# KiCad board Z3660_v022.kicad_pcb (continued)
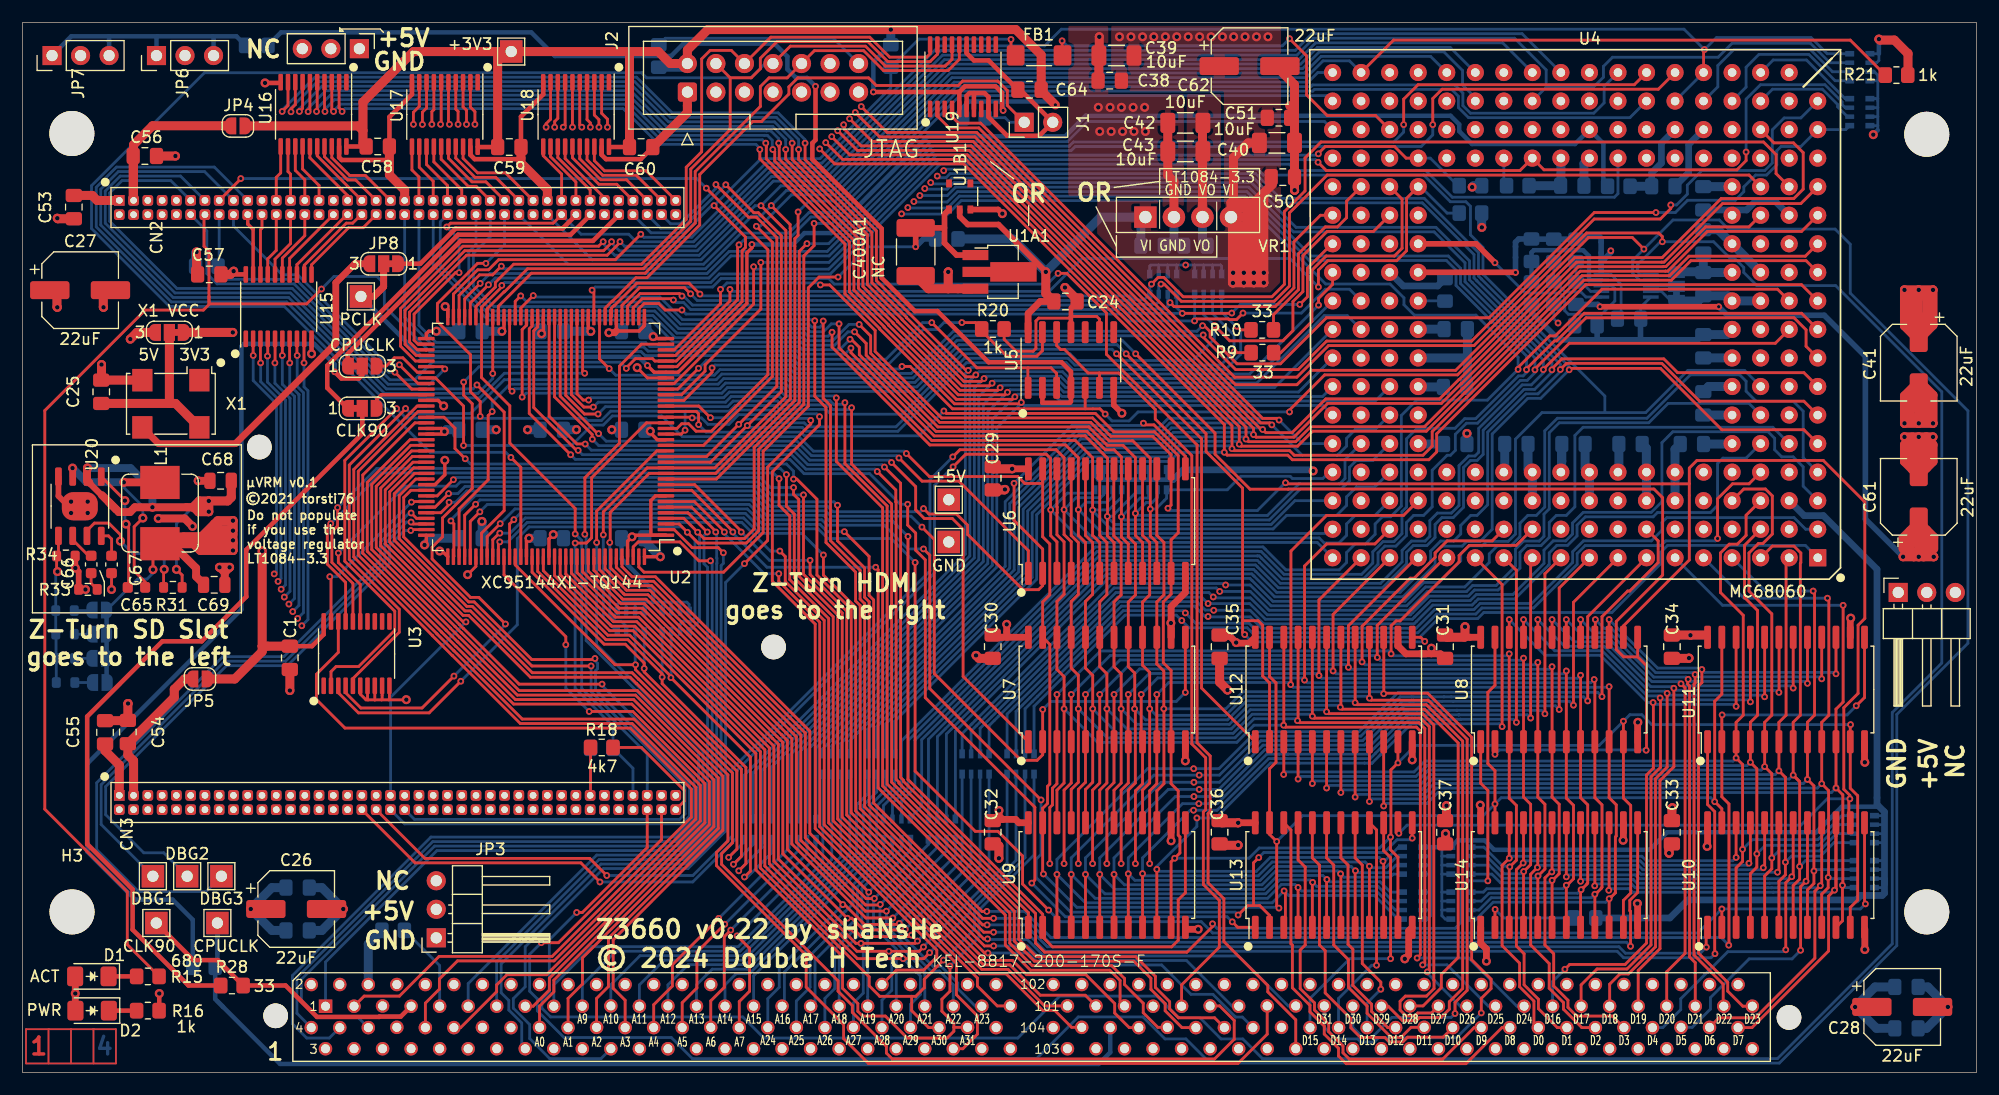
[diagram p0: board, top side]
## Routing (per net, layer and track width the routed paths; a pad name or vN(x,y) marks a point on that pad's centre or on a via; arc(x,y) is an arc through that point) (continued)
TM1: length 69.9
  Top w0.25: U2.39 54.36,68.06 55.15,68.85 57.82,68.85 v2(57.94,68.74) ; v2(103.24,67.55) 107.61,67.55 v2(107.64,67.58) ; U4.108 116.56,73.74 114.37,71.56 114.37,69.03 v2(113.69,68.35)
  Bottom w0.25: v2(107.64,67.58) 108.4,68.35 v2(113.69,68.35) ; RN19.5 102.74,68.05 v2(103.24,67.55) 98.3,67.55 97.96,67.89 59.47,67.89 58.84,68.52 58.16,68.52 v2(57.94,68.74)
TM2: length 69.9
  Top w0.25: v2(108.64,67.58) 108.06,67 107.4,67 107.35,67.06 104.5,67.06 v2(104.32,66.88) ; v2(58.7,67.85) 57.2,67.85 56.63,68.42 55.33,68.42 54.86,67.96 U2.38
  Bottom w0.25: v2(58.7,67.85) 59.06,67.49 97.8,67.49 98.41,66.88 v2(104.32,66.88) 104.34,66.89 RN20.8 ; U4.95 118.11,69.7 115.96,69.7 113.84,67.58 v2(108.64,67.58)
TMS: length 60.3
  Top w0.25: 62.99,88.51 64.87,88.51 65.68,89.32 65.68,90.25 67.16,91.73 75.25,91.73 77.02,89.96 80.79,89.96 81.44,90.61 U19.19 ; 62.99,88.51 62.99,83.9 59.48,80.39 59.48,75.75 55.26,71.53 44.96,71.53 42.9,69.47 42.86,69.47 41.36,67.96 U2.65 ; 62.99,88.51 J2.4
TT0: length 114.7
  Top w0.25: U2.41 53.36,68.27 54.93,69.84 58.92,69.84 v2(59.47,69.29) ; v2(101.34,70.15) 101.62,70.15 103.15,68.63 111.41,68.63 112.77,69.99 112.77,76.49 116.14,79.86 153.67,79.86 U4.117
  Bottom w0.25: v2(101.34,70.15) 101.14,69.95 RN19.7 101.14,68.61 100.89,68.36 98.72,68.36 98.39,68.69 60.06,68.69 v2(59.47,69.29)
TT1: length 123
  Top w0.25: U4.116 156.08,79.99 156.08,81.68 154.96,82.8 115.58,82.8 114.16,81.38 114.16,78.45 112.32,76.61 112.32,70.14 111.21,69.03 103.31,69.03 101.59,70.75 101.09,70.75 v2(100.49,70.15) ; U2.43 52.43,67.3 52.43,68.03 52.64,68.24 52.68,68.24 54.68,70.24 59.33,70.24 v2(60.3,69.27)
  Bottom w0.25: v2(60.3,69.27) 60.46,69.11 98.54,69.11 98.89,68.75 99.84,68.75 RN19.8 100.34,70 v2(100.49,70.15)
V_DETECTOR: length 60.5
  Top w0.25: U2.143 54.86,44.98 55.32,44.52 62.41,44.52 65.93,48.04 65.93,55.28 69.94,59.3 69.94,69.82 70.91,70.78 v2(72.59,70.78)
  Top w0.5: 84.52,72.74 83.14,72.74 82.07,73.81 82.07,76.39 U1B1.1 ; v2(79.5,73.48) C400A1.1 82.04,75.16 82.07,75.19
  Bottom w0.25: v2(79.5,73.48) 75.29,73.48 v2(72.59,70.78)
  Bottom w0.5: R2.1 80.2,74.17 v2(79.5,73.48)
Net-(C66-Pad1): length 1.7
  Top w0.25: 6.11,44.45 6.11,43.54 R33.1
Net-(CN2-Pin_22): length 5.4
  Top w0.25: 21.32,76.33 21.32,75.14 21.18,75 21.18,71.02 U15.18
Net-(CN2-Pin_23): length 5
  Top w0.25: U16.11 22.98,80.05 22.59,79.66 22.59,77.6
Net-(CN2-Pin_24): length 5.6
  Top w0.25: 22.59,76.33 22.59,73.16 21.83,72.4 U15.17
Net-(CN2-Pin_25): length 4.9
  Top w0.25: 23.86,77.6 23.86,79.95 23.63,80.17 U16.12
Net-(CN2-Pin_26): length 5.9
  Top w0.25: U15.16 22.48,72.39 23.86,73.77 23.86,76.33
Net-(CN2-Pin_27): length 5.2
  Top w0.25: 25.13,77.6 25.13,79.44 24.28,80.28 U16.13
Net-(CN2-Pin_28): length 6.1
  Top w0.25: U15.15 23.13,72.47 25.13,74.47 25.13,76.33
Net-(CN2-Pin_29): length 5.4
  Top w0.25: U16.14 24.93,80.4 26.4,78.93 26.4,77.6
Net-(CN2-Pin_32): length 6.9
  Top w0.25: 27.67,76.33 23.78,72.44 U15.14
Net-(CN2-Pin_33): length 6.2
  Top w0.25: 28.94,77.6 28.94,78.04 25.58,81.4 U16.15
Net-(CN2-Pin_34): length 7.2
  Top w0.25: 28.94,76.33 28.87,76.33 24.43,71.89 U15.13
Net-(CN2-Pin_35): length 6.4
  Top w0.25: 30.21,77.6 26.23,81.57 U16.16
Net-(CN2-Pin_36): length 7.8
  Top w0.25: U15.12 25.08,71.84 28.82,75.58 29.39,75.58 30.14,76.33 30.21,76.33
Net-(CN2-Pin_37): length 7.1
  Top w0.25: 26.88,82.4 26.88,81.49 28.95,79.42 29.65,79.42 31.48,77.6
Net-(CN2-Pin_38): length 8.5
  Top w0.25: U15.11 25.73,71.88 29.03,75.18 30.33,75.18 31.48,76.33
Net-(CN2-Pin_39): length 7.8
  Top w0.25: U16.18 27.53,81.41 29.12,79.82 30.52,79.82 32.75,77.6
Net-(CN2-Pin_43): length 5
  Top w0.25: U17.11 34.67,80.31 35.29,79.69 35.29,77.6
Net-(CN2-Pin_45): length 5.3
  Top w0.25: 36.56,77.6 36.56,79.31 35.32,80.55 U17.12
Net-(CN2-Pin_47): length 5.6
  Top w0.25: U17.13 35.97,80.79 37.83,78.93 37.83,77.6
Net-(CN2-Pin_49): length 5.8
  Top w0.25: 39.1,77.6 39.1,78.55 36.62,81.03 U17.14
Net-(CN2-Pin_53): length 7
  Top w0.25: 41.64,77.6 40.38,78.86 39.68,78.86 37.27,81.27 37.27,82.38
Net-(CN2-Pin_55): length 7.6
  Top w0.25: U17.16 37.92,81.35 40.01,79.26 41.25,79.26 42.91,77.6
Net-(CN2-Pin_57): length 8.2
  Top w0.25: 44.18,77.6 42.12,79.66 40.28,79.66 38.57,81.37 38.57,82.38
Net-(CN2-Pin_59): length 8.8
  Top w0.25: U17.18 39.22,81.35 40.51,80.06 42.99,80.06 45.45,77.6
Net-(CN2-Pin_63): length 5.5
  Top w0.25: U18.11 46.35,81.58 47.99,79.95 47.99,77.6
Net-(CN2-Pin_65): length 5.7
  Top w0.25: 49.26,77.6 49.26,79.24 47,81.5 U18.12
Net-(CN2-Pin_67): length 6
  Top w0.25: 50.53,77.6 50.53,78.54 47.65,81.41 47.65,82.38
Net-(CN2-Pin_69): length 6.2
  Top w0.25: 51.8,77.6 51.8,77.83 48.3,81.33 U18.14
Net-(CN2-Pin_73): length 7.9
  Top w0.25: U18.15 48.95,81.4 51.31,79.04 52.9,79.04 54.34,77.6
Net-(CN2-Pin_75): length 8.6
  Top w0.25: 49.6,82.38 49.6,81.31 51.47,79.44 53.77,79.44 55.61,77.6
Net-(CN2-Pin_77): length 9.3
  Top w0.25: U18.17 50.25,81.23 51.64,79.84 54.64,79.84 56.88,77.6
Net-(CN2-Pin_79): length 10
  Top w0.25: U18.18 50.9,81.14 51.8,80.24 55.51,80.24 58.15,77.6
Net-(D1-K): length 2.5
  Top w0.4: R15.2 D1.1
Net-(D2-K): length 2.5
  Top w0.4: R16.2 D2.1
Net-(J1-A): length 56
  Top w0.25: J1.1 87.66,86.06 87.66,87.38 86.81,88.23 83.69,88.23 83.29,87.83 75.99,87.83 75.32,88.5 69.01,88.5 68.22,87.71 68.22,87.07 65.78,84.63 65,84.63 60.28,79.91 60.28,75.42 55.59,70.73 54.6,70.73 52.51,68.64 52.47,68.64 51.86,68.02 U2.44
  Bottom w0.25: R3.1 85.7,84.96 87.46,84.96 87.87,84.56 J1.1
Net-(J2-Pin_14): length 19
  Bottom w0.25: J2.14 72.18,92.03 57.21,92.03 R4.2
Net-(JP9-C): length 70.2
  Top w0.4: JP9.2 30.25,56.85 19.92,46.52 19.92,42.34 15.95,38.37 12.45,38.37 5.76,31.68 5.76,20.33 9.8,16.29 9.8,12.71 14.78,7.74 R28.1
Net-(JP10-C): length 80.2
  Top w0.4: v2(27.79,62.35) 28.38,61.76 29.94,61.76 30.25,62.07 JP10.2
  Bottom w0.4: v2(27.79,62.35) 27.79,63.01 25.96,64.84 19.71,64.84 19.49,64.62 19.49,41.2 5.79,27.51 5.79,19.63 10.03,15.39 13.36,15.39 15.15,13.59 R29.1
Net-(JP11-C): length 15.9
  Top w0.8: X1.4 13.62,59.54 13.08,59.54 ; 13.08,59.54 C25.1 ; 13.08,59.54 13.08,65.86 JP11.2
Net-(JP12-C): length 2.3
  Bottom w0.25: JP12.2 147.16,70.01 U1.8
Net-(JP13-B): length 1.6
  Bottom w0.25: JP13.2 6.14,41.11 R32.2
Net-(JP14-B): length 1.6
  Bottom w0.25: R35.2 JP14.2
Net-(JP15-B): length 1.5
  Bottom w0.25: R36.2 JP15.2
Net-(JP16-B): length 1.6
  Bottom w0.25: R37.2 JP16.2
Net-(R19-Pad1): length 99.4
  Top w0.4: U5.2 90.78,59.59 93.21,59.59 93.32,59.7 U5.4 93.32,62.37 92.49,63.21 85.99,63.21 81.44,67.75 79.43,67.75 76.48,70.71 76.48,75.09 70.31,81.26 70.31,82.71 70.59,82.98 v2(70.59,87.75)
  Bottom w0.4: R19.1 23.01,92.56 45.29,92.56 47.39,90.46 57.74,90.46 58.84,91.56 66.94,91.56 68.09,90.41 68.09,89.27 68.85,88.5 69.84,88.5 v2(70.59,87.75)
Net-(RN1-R3.2): length 16.8
  Bottom w0.25: 149.63,86.44 150.9,87.71 150.9,89.6 152.32,91.02 159.14,91.02 161.1,89.06 RN1.6
Net-(RN1-R4.2): length 14.2
  Bottom w0.25: U4.148 153.42,87.69 153.42,89.45 154.56,90.6 159,90.6 161.34,88.25 RN1.5
Net-(RN2-R1.2): length 9.8
  Bottom w0.25: U4.164 155.82,90.1 158.79,90.1 162.24,86.66 RN2.8
Net-(RN2-R3.2): length 9.5
  Bottom w0.25: U4.147 155.77,87.5 160.2,87.5 161.56,86.14 161.56,85.93 162.44,85.06 RN2.6
Net-(U1-V1): length 6.6
  Bottom w0.25: R23.2 R27.1 136.4,70.36 137.31,69.46 138.71,69.46 139.16,69.01 U1.1
Net-(U1-V2): length 4.4
  Bottom w0.25: R25.2 R26.1 138.74,70.35 139.58,69.51 U1.2
Net-(U1-V4): length 11.3
  Bottom w0.4: U1.4 139.43,70.51 139.43,72.65 138.91,73.17 134.52,73.17 134.32,72.97 R24.2 R22.1
Net-(U2-P105): length 59.6
  Top w0.25: U2.105 35.07,49.31 v2(34.59,49.79)
  Bottom w0.25: DBG3.1 16.33,16.1 10.34,16.1 6.6,19.83 6.6,25.78 17.83,37 23.25,37 31.85,45.6 31.85,47.21 34.43,49.79 v2(34.59,49.79)
Net-(U2-P106): length 49.7
  Top w0.25: U2.106 34.76,48.81 v2(34.59,48.98)
  Bottom w0.25: v2(34.59,48.98) 34.19,48.98 32.25,47.05 32.25,45.44 23.42,36.6 18,36.6 7,25.61 7,22.07 DBG1.1
Net-(U2-P107): length 51
  Top w0.25: v2(34.56,48.23) 34.64,48.31 U2.107
  Bottom w0.25: DBG2.1 12.57,19.55 10.8,19.55 7.4,22.94 7.4,25.44 18.16,36.2 23.58,36.2 32.66,45.28 32.66,46.9 34,48.23 v2(34.56,48.23)
Net-(U4-~{TS}): length 36.3
  Top w0.25: v2(92.54,91.81) 92.54,90.54 FB1.2 ; v2(112.78,91.99) 114.3,90.47 114.3,86.99 116.13,85.16 120.43,85.16 121.69,83.9
  Bottom w0.25: v2(92.54,91.81) 92.98,91.36 112.14,91.36 v2(112.78,91.99)
Net-(U20-BS): length 11.3
  Top w0.25: 9.5,43.3 9.37,43.17 ; 9.37,43.17 9.45,43.25 9.45,48.56 v1(9.22,48.8) ; 9.37,43.17 9.46,43.26 ; 9.37,43.17 9.45,43.25 ; U20.1 9.12,50.92 v1(9.12,50.89)
  Bottom w0.25: v1(9.12,50.89) 9.12,48.9 v1(9.22,48.8)
Net-(U20-COMP): length 2.6
  Top w0.25: U20.6 4.47,47.4 5.87,46 6.11,46
Net-(U20-EN): length 11.8
  Top w0.25: v1(8.72,47.29) 8.72,47.86 7.68,48.89 6.41,48.89 5.74,48.23 5.74,47.75 ; v1(12.62,44.77) 12.56,44.72 R31.1
  Bottom w0.25: v1(12.62,44.77) 12.62,45.59 12.03,46.18 9.83,46.18 v1(8.72,47.29)
Net-(U20-FB): length 13.2
  Top w0.25: v1(3.12,44.58) 3.04,44.65 R34.1 3.2,46.12 U20.5
  Bottom w0.25: v1(3.12,44.58) 2.96,44.42 R32.1 R35.1 2.99,38.98 R36.1 3.01,36.83 3.01,34.7
Net-(U20-SS): length 2.5
  Top w0.25: 7.94,46 7.94,47.47 7.65,47.75 U20.8
Net-(U20-SW): length 19.9
  Top w0.25: v1(10.72,49.34) 9.94,48.57 9.94,44.62 10.92,43.65 C65.2
  Top w0.5: U20.3 4.47,53.77 v1(4.46,53.79)
  Top w0.7: L1.2 12.22,52.52 v1(9.02,52.52)
  Bottom w0.25: v1(9.02,52.52) 9.02,52.06 10.72,50.36 v1(10.72,49.34)
  Bottom w0.7: v1(4.46,53.79) 5.71,52.53 9.01,52.53 v1(9.02,52.52)

## Copper pours and planes (outline as drawn; the poured copper is in the pictures)
+3V3 on Top: 103.63,87.04 106.68,87.04 106.68,76.12 103.63,76.12
+3V3 on In2.Cu: 173.86,51.1 162.43,51.1 162.43,43.86 114.43,43.89 114.43,72.06 106.81,72.06 106.81,64.69 60.45,64.69 60.45,45.89 17.79,45.89 17.79,72.44 90.07,72.44 90.07,86.66 105.92,86.66 105.92,76.37 114.43,76.37 114.47,93.14 173.86,93.14
+5V on Top: 96.9,93.14 112.01,93.14 112.02,69.39 95.63,69.39 95.66,77.59 101.11,77.6 101.11,74.85 106.95,74.85 106.93,87.3 96.9,87.3
+5V on In2.Cu: 162.69,50.85 162.69,43.61 114.12,43.59 113.92,71.68 107.32,71.68 107.32,64.18 60.83,64.18 60.83,45.64 17.41,45.54 17.41,72.72 89.81,72.82 89.81,87.04 106.31,87.04 106.3,76.88 114.17,76.88 114.17,93.14 0,93.14 0,0.3 173.93,0.3 173.93,50.85
Earth on Top: 93.09,93.14 96.65,93.14 96.65,87.04 103.38,87.04 103.38,75.36 101.47,75.36 101.47,78.02 93.09,78.02
Earth on Bottom: 1.34,42.31 1.29,55.52 19.11,55.48 19.14,42.25
Earth on In1.Cu: 0,93.14 173.86,93.14 173.93,0.3 0,0.3

## Text on the board
Bottom: 4
B.Silkscreen: 3.34V | 3.52V | 3.46V | 3.42V | 1
Top: 1
F.Silkscreen: A0 | A1 | A9 | A2 | A10 | A3 | A11 | A4 | A12 | A5 | A13 | A6 | A14 | A7 | A15 | A24 | A16 | A25 | A17 | A26 | A18 | A27 | A19 | A28 | A20 | A29 | A21 | A30 | A22 | A31 | A23 | D15 | D31 | D14 | D30 | D13 | D29 | D12 | D28 | D11 | D27 | D10 | D26 | D9 | D25 | D8 | D24 | D0 | D16 | D1 | D17 | D2 | D18 | D3 | D19 | D4 | D20 | D5 | D21 | D6 | D22 | D7 | D23 | 2 | 4 | 1 | 3 | 102 | 104 | 101 | 103 | Do not populate / if you use the / voltage regulator / LT1084-3.3 | µVRM v0.1 | ©2021 torsti76 | VI GND VO | GND VO VI | LT1084-3.3 | PWR | ACT | 5V | X1 VCC | 3V3 | CLK90 | CPUCLK | JTAG | NC | +5V | GND | OR | Z-Turn SD Slot / goes to the left | Z-Turn HDMI / goes to the right | Z3660 v0.22 by sHaNsHe / © 2024 Double H Tech
In1.Cu: 2
In2.Cu: 3
